# KiCad board rosario.kicad_pcb (continued)
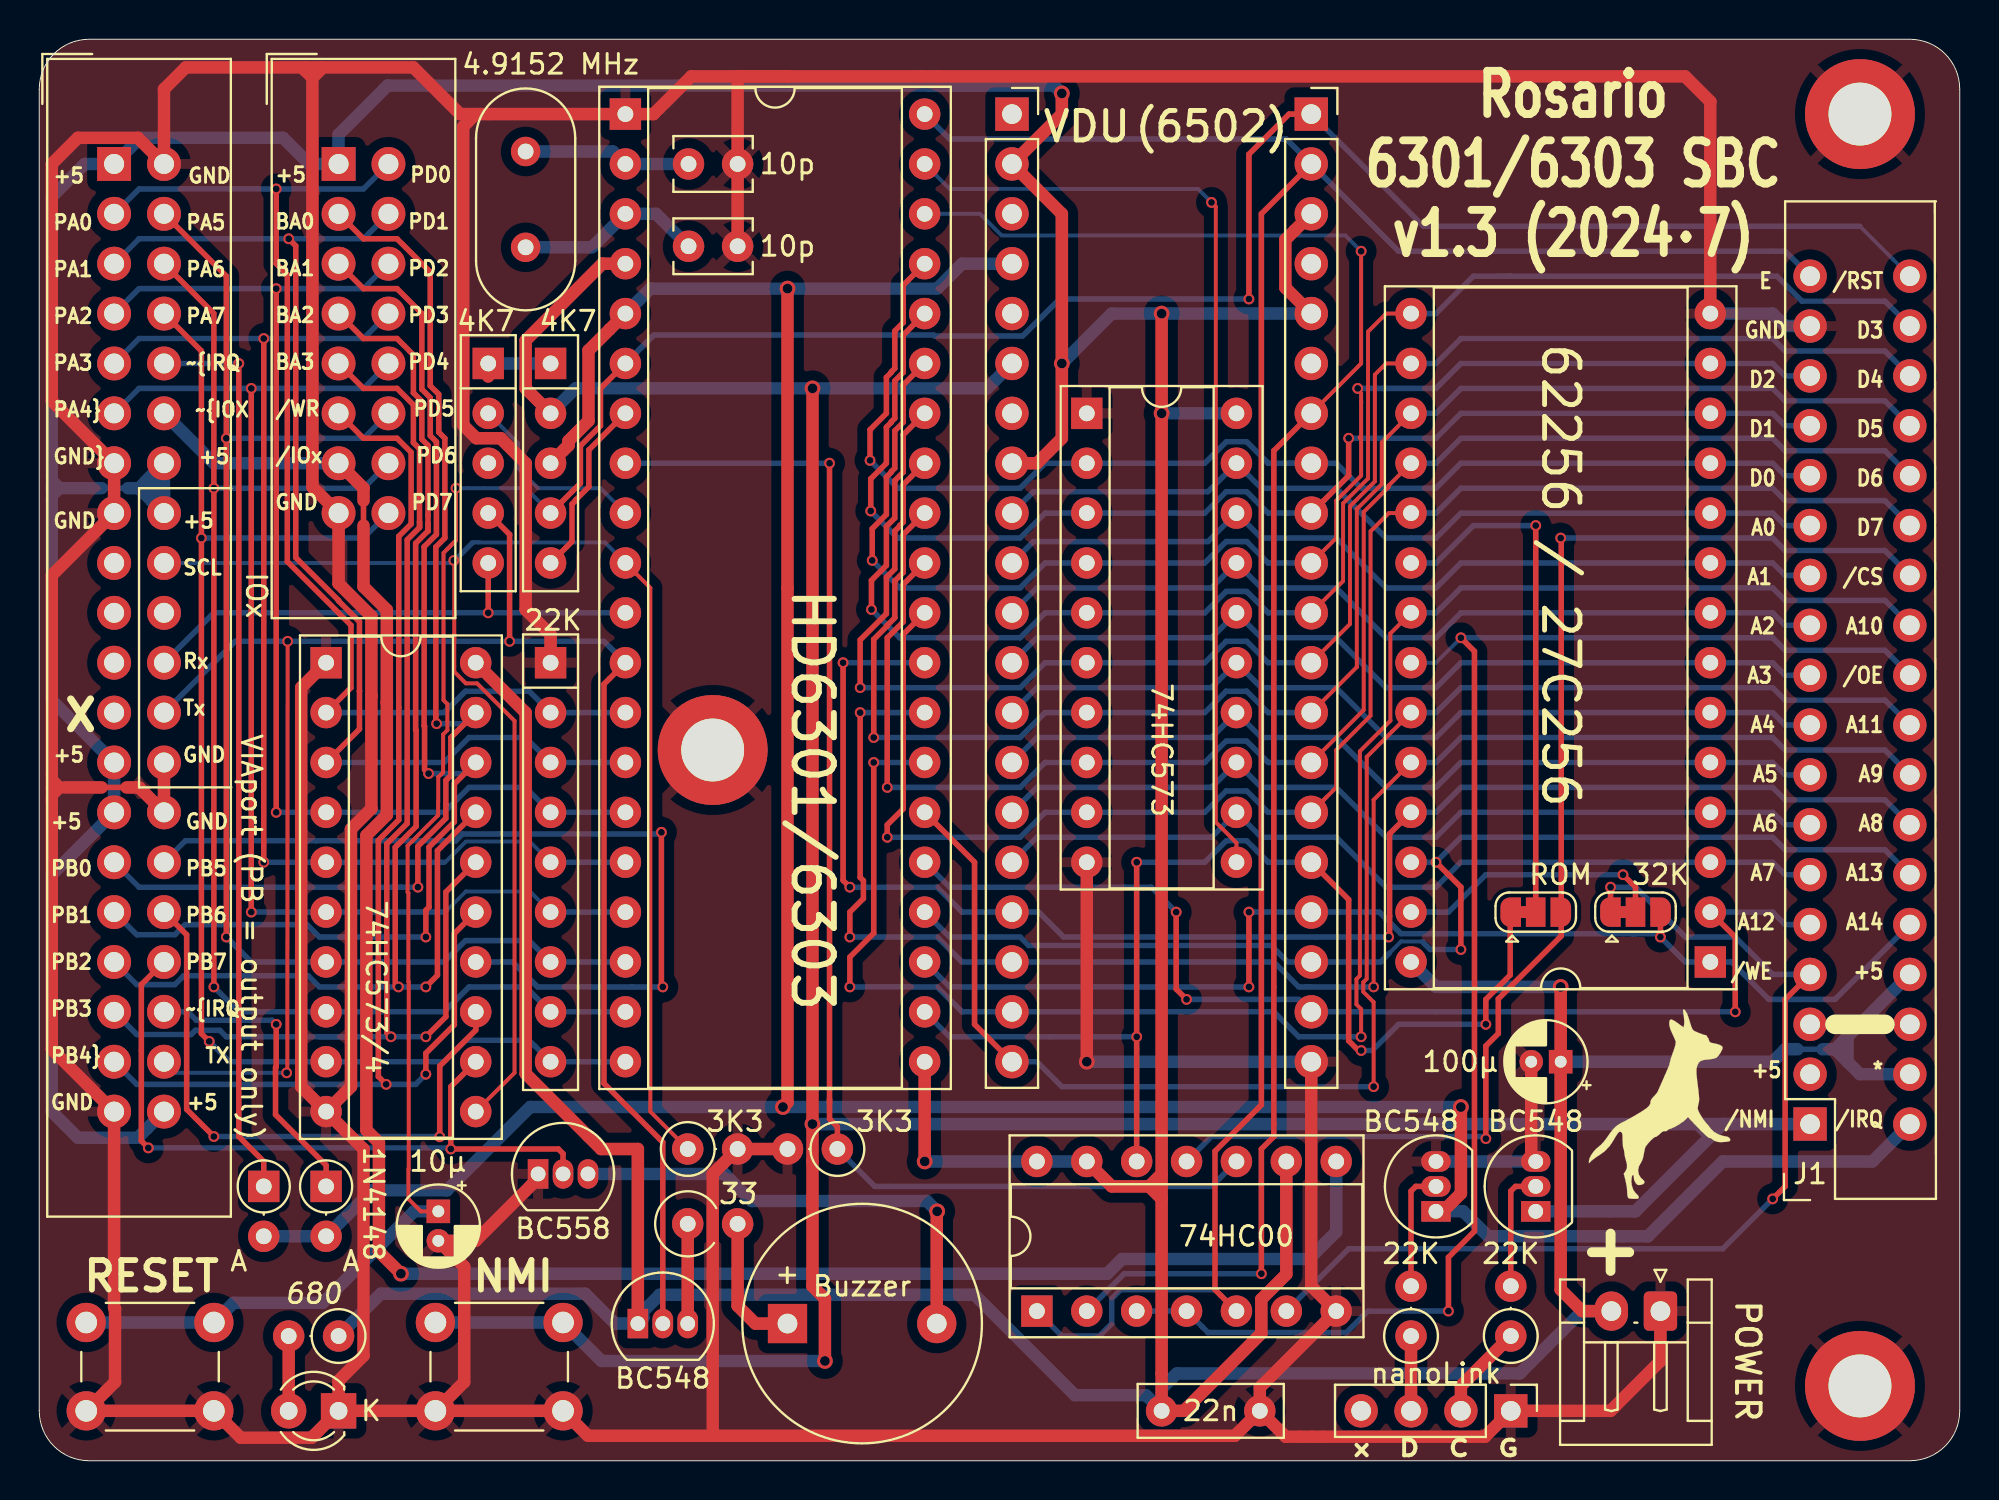
[diagram p0: board, top side]
## Nets
+5V: C3.1 C4.1 J1.4 J1.8 J2.1 J2.14 J2.16 J2.25 J2.27 J2.40 J3.1 J5.2 J5.8 J6.2 J7.3 J7.5 Q3.1 R5.1 RN1.1 RN3.1 U1.20 U2.21 U3.28 U4.9 U4.13 U4.14 U5.20
GND: C1.2 C2.1 C3.2 C4.2 C5.1 D3.1 H1.1 H2.1 H3.1 J1.33 J2.2 J2.13 J2.15 J2.26 J2.28 J2.39 J3.15 J4.1 J6.1 J7.20 Q1.3 Q2.3 Q4.1 R3.2 R6.2 RN2.1 SW1.1 SW2.1 U1.1 U1.10 U2.1 U3.14 U4.7 U5.1 U5.10
/AS: U1.11 U2.39
/B_IRQ: Q2.2 R2.2
/B_NMI: Q1.2 R1.2
/BZ: Q3.3 R4.1
/BZG: BZ1.2 Q4.3
/BZR: BZ1.1 R4.2
/CA1: D1.1 J2.10
/CB1: D2.1 J2.36
/E: J1.35 J7.2 U2.40 U4.1 U4.5
/EXT: C5.2 U2.3 Y1.2
/IOSEL: R6.1 U2.8 U4.10
/P21: RN3.2 U2.9
/PW_LED: D3.2 R5.2
/RAM_~{CS}: JP1.2 U3.20
/RAM_~{WE}: JP2.2 U3.27
/ROM_~{CS}: J1.24 JP1.3 U4.11
/R~{W}: J7.7 U2.38 U4.2
/SC_CL: J2.18 R3.1 U2.10 U5.11
/SC_RX: J2.22 RN3.5 U2.11
/SC_TX: J2.24 J2.38 Q3.2 RN3.4 U2.12
/SERCLK: J4.2 R1.1
/SERDAT: J4.3 R2.1
/XT: C2.2 U2.2 Y1.1
/~{IOX}: J2.12 J3.13 U4.8
/~{IRQ}: D1.2 D2.2 J1.2 J5.4 Q2.1 RN1.3 U2.5
/~{NMI}: J1.1 J5.6 Q1.1 RN1.2 SW2.2 U2.4
/~{OE}: J1.20 U3.22 U4.3 U4.4
/~{RST}: C1.1 J1.36 J7.1 RN1.4 SW1.2 U2.6
/~{STBY}: RN1.5 U2.7
/~{WE}: J1.7 JP2.1 U4.6
A0: J1.25 J5.9 U1.19 U3.10
A1: J1.23 J5.10 U1.18 U3.9
A2: J1.21 J5.11 U1.17 U3.8
A3: J1.19 J5.12 U1.16 U3.7
A4: J1.17 J5.13 U1.15 U3.6
A5: J1.15 J5.14 U1.14 U3.5
A6: J1.13 J5.15 U1.13 U3.4
A7: J1.11 J5.16 U1.12 U3.3
A8: J1.14 J5.17 U2.29 U3.25
A9: J1.16 J5.18 U2.28 U3.24
A10: J1.22 J5.19 U2.27 U3.21
A11: J1.18 J5.20 U2.26 U3.23
A12: J1.9 J7.19 U2.25 U3.2
A13: J1.12 J7.18 U2.24 U3.26
A14: J1.10 J7.17 JP2.3 U2.23 U3.1
A15: J7.16 JP1.1 U2.22 U4.12
D0: J1.27 J7.8 U1.2 U2.37 U3.11
D1: J1.29 J7.9 U1.3 U2.36 U3.12
D2: J1.31 J7.10 U1.4 U2.35 U3.13
D3: J1.34 J7.11 U1.5 U2.34 U3.15
D4: J1.32 J7.12 U1.6 U2.33 U3.16
D5: J1.30 J7.13 U1.7 U2.32 U3.17
D6: J1.28 J7.14 U1.8 U2.31 U3.18
D7: J1.26 J7.15 U1.9 U2.30 U3.19
PA0: J2.3 J3.2 RN2.2 U2.13 U5.2
PA1: J2.5 J3.4 RN2.3 U2.14 U5.3
PA2: J2.7 J3.6 RN2.4 U2.15 U5.4
PA3: J2.9 J3.8 RN2.5 U2.16 U5.5
PA4: J2.11 J3.10 RN2.6 U2.17 U5.6
PA5: J2.4 J3.12 RN2.7 U2.18 U5.7
PA6: J2.6 J3.14 RN2.8 U2.19 U5.8
PA7: J2.8 J3.16 RN2.9 U2.20 U5.9
PB0: J2.29 J3.3 U5.19
PB1: J2.31 J3.5 U5.18
PB2: J2.33 J3.7 U5.17
PB3: J2.35 J3.9 U5.16
PB4: J2.37 J3.11 U5.15
PB5: J2.30 U5.14
PB6: J2.32 U5.13
PB7: J2.34 Q4.2 U5.12

Pads without a net: J1 3 5 6; J2 17 19 20 21 23; J4 4; J5 1 3 5 7; J7 4 6; RN3 3

## Via types
v1: diameter 0.8, hole 0.5, Top to Bottom, 15 vias
v2: diameter 0.55, hole 0.35, Top to Bottom, 83 vias

## Routing (per net, layer and track width the routed paths; a pad name or vN(x,y) marks a point on that pad's centre or on a via; arc(x,y) is an arc through that point)
+5V: length 440
  Top w0.635: J6.2 78.56,7.62 77.47,8.71 C3.1 v1(77.47,24.13) ; J5.8 50.8,50.8 52.07,52.07 v1(52.07,55.88) 52.07,63.5 J5.2 52.07,68.58 v1(52.07,69.63) ; J7.5 63.45,59.74 63.45,62.18 J7.3 ; 57.15,13.97 57.15,13.33 ; 57.15,13.97 57.15,14.6 ; 57.15,13.97 56.52,13.97 ; 57.15,13.33 56.52,13.97 ; 57.15,13.33 C4.1 58.28,2.54 62.23,6.49 62.23,8.22 63.5,9.5 U4.9 ; 56.52,13.97 54.61,13.97 U4.13 ; 56.52,13.97 57.15,14.6 ; v1(57.15,58.42) v1(57.15,53.34) 57.15,14.6 ; Q3.1 30.48,15.88 28.6,15.88 24.77,19.71 24.77,38.1 U5.20 ; v1(45.09,15.24) U2.21 ; RN3.1 22.86,55.22
  Bottom w0.28: 1.27,49.53 0.63,50.16 ; 1.27,49.53 0.63,48.89 ; 1.27,49.53 0.63,49.53 ; 1.27,49.53 5.08,49.53 ; 89.53,20.95 90.81,20.95
  Bottom w0.635: J7.5 v1(57.15,58.42) 54.61,58.42 v1(52.07,55.88) ; J6.2 78.56,7.62 75.39,4.44 57.92,4.44 57.15,3.67 C4.1 56.35,3.34 52.74,3.34 47.62,8.45 31.59,8.45 30.76,7.62 30.76,7.26 Q3.1 29.32,6.98 27.8,8.51 17.4,8.51 R5.1 ; 0.63,49.53 0.63,38.73 J2.25 J2.27 0.63,29.84 0.63,17.78 1.97,16.45 5.02,16.45 J2.40 ; 0.63,49.53 0.63,64.36 2.31,66.04 J2.1 5.14,67.37 12.41,67.37 13.74,66.04 J3.1 15.24,67.54 17.73,70.03 48.08,70.03 ; 0.63,49.53 3.18,49.53 ; U4.13 U4.14 v1(45.09,15.24) ; J2.14 6.35,50.16 ; J2.14 5.08,49.53 ; J2.14 5.49,49.94 5.49,49.76 5.71,49.53 ; 6.35,50.16 5.71,49.53 ; 6.35,50.16 J2.16 ; 5.08,49.53 4.51,49.53 ; 5.08,49.53 5.71,49.53 ; 5.08,49.53 5.71,48.89 ; 5.71,49.53 5.71,48.89 ; 5.71,49.53 6.3,49.53 6.35,49.48 J2.16 ; J1.4 92.71,19.69 92.08,20.32 ; U1.20 v1(57.15,53.34) ; v1(52.07,69.63) 51.67,70.03 48.08,70.03 ; 92.08,21.59 91.44,20.95 ; 92.08,21.59 J1.8 ; 92.08,21.59 92.08,20.32 ; 91.44,20.95 92.08,20.32 ; 91.44,20.95 90.81,20.95 ; 5.71,48.89 J2.16 ; 45.27,70.03 48.08,70.03 ; v1(77.47,24.13) 71.12,24.13 U3.28 ; RN1.1 RN3.1 ; 89.53,20.95 88.9,20.95 88.27,20.32 C3.1
GND: length 498.6
  Top w0.28: 1.27,34.29 0.63,34.92 ; 1.27,34.29 0.63,34.29 ; 1.27,34.29 0.63,33.65 ; 4.45,34.29 3.18,34.29
  Top w0.635: 13.5,70.95 7.45,70.95 6.35,69.85 J2.2 5.02,67.37 1.97,67.37 0.63,66.04 0.63,53.97 J2.13 J2.15 0.63,45.08 0.63,20.95 J2.39 3.81,7.79 3.86,7.74 3.86,4.01 SW1.1 SW1.1 10.26,1.17 13.87,1.17 D3.1 ; 13.5,70.95 14.44,70.95 ; 13.5,70.95 13.5,70.83 13.91,70.42 ; 14.44,70.95 19.05,70.95 21.43,68.58 22.22,68.58 ; 14.44,70.95 13.91,70.42 ; 13.91,70.42 13.91,49.59 J3.15 15.24,44.67 16.91,43 16.91,38.94 16.91,33.21 15.87,32.17 15.87,19.05 U5.10 ; U3.14 85.09,69.22 83.81,70.5 38.11,70.5 ; C3.2 75.97,15.47 Q1.3 ; J6.1 82.55,5.08 80.01,2.54 J4.1 73.61,1.22 63.47,1.22 C4.2 ; C4.2 62.15,3.73 U4.7 64.77,8.89 J7.20 ; C4.2 60.88,1.27 34.29,1.27 ; SW2.1 21.64,4.01 21.64,9.88 C1.2 22.22,11.2 25.4,14.38 Q4.1 ; D3.1 15.24,4.08 16.51,5.34 16.51,15.88 U5.10 ; D3.1 SW2.1 27.94,1.27 34.29,1.27 ; 38.11,70.5 33.2,70.5 31.28,68.58 U2.1 22.22,68.58 ; 38.11,70.5 35.55,70.5 35.56,70.48 C5.1 ; 34.29,1.27 34.29,14.6 R3.2 R6.2 ; U5.10 13.34,19.05 13.34,39.37 U5.1 ; J2.26 J2.28 5.08,34.29 4.45,34.29 ; 22.22,68.58 21.59,67.94 21.59,52.73 22.25,52.07 23.49,52.07 24.77,50.8 24.77,43.34 26.04,42.07 RN2.1 ; v1(53.34,20.32) U1.10 ; 1.27,34.29 3.18,34.29
  Bottom w0.635: Q1.3 Q2.3 ; U3.14 88.27,58.42 88.9,57.78 J1.33 ; J7.20 v1(53.34,20.32)
/AS: length 49.5
  Top w0.2: U1.11 60.96,31.47 59.91,32.52 59.91,63.86 v2(59.69,64.08)
  Bottom w0.2: v2(59.69,64.08) 59,64.77 46.36,64.77 U2.39
/B_IRQ: length 6.2
  Top w0.28: R2.2 69.85,13.73 70.09,13.97 Q2.2
/B_NMI: length 6.2
  Top w0.28: R1.2 74.93,13.73 75.17,13.97 Q1.2
/BZ: length 5.1
  Top w0.635: Q3.3 R4.1
/BZG: length 24.3
  Top w0.635: v1(45.72,12.7) 45.7,12.68 BZ1.2
  Bottom w0.635: Q4.3 34.9,14.6 36.27,13.23 45.19,13.23 v1(45.72,12.7)
/BZR: length 7.1
  Top w0.635: BZ1.1 36.47,6.98 35.56,7.89 R4.2
/CA1: length 46.2
  Top w0.28: D1.1 11.43,15.24 10.16,16.51 v2(10.16,55.88)
  Bottom w0.28: J2.10 v2(10.16,55.88)
/CB1: length 15.3
  Top w0.28: D2.1 14.61,15.05 12.03,17.63 12.03,20.03 12.06,20.06 v2(12.06,22.22)
  Bottom w0.28: J2.36 7.57,22.86 8,22.43 11.86,22.43 v2(12.06,22.22)
/E: length 122.3
  Top w0.28: U4.5 59.87,8.71 59.87,15.76 62.23,18.12 62.23,63.5 J7.2
  Bottom w0.28: U4.5 59.87,8.71 55.06,8.71 54.61,8.25 54.61,6.98 53.98,6.35 52.07,6.35 U4.1 ; J1.35 88.9,61.59 69.22,61.59 J7.2 63.5,67.31 46.36,67.31 U2.40
/EXT: length 9.7
  Bottom w0.635: C5.2 31.41,63.5 U2.3 28.14,61.79 Y1.2
/IOSEL: length 67.3
  Top w0.28: 40.24,18.4 40.24,18.18 ; 40.24,18.4 40.24,17.41 40.64,17.01 R6.1 ; 40.24,18.4 v2(40.24,50.8)
  Bottom w0.28: U4.10 59.69,13.97 42.55,13.97 R6.1 ; U2.8 v2(40.24,50.8)
/P21: length 9.8
  Bottom w0.2: U2.9 28.57,49.53 25.4,49.53 24.38,50.55 24.38,51.82 RN3.2
/PW_LED: length 3.8
  Top w0.635: R5.2 D3.2
/RAM_~{CS}: length 26.8
  Top w0.28: JP1.2 v2(76.2,47.62)
  Bottom w0.28: U3.20 71.12,45.72 73.03,47.62 v2(76.2,47.62)
/RAM_~{WE}: length 13.8
  Top w0.28: v2(80.64,29.84) 81.28,29.21 JP2.2
  Bottom w0.28: U3.27 71.76,27.94 73.66,29.84 v2(80.64,29.84)
/ROM_~{CS}: length 66.6
  Top w0.28: v2(73.66,16.4) 73.66,21.12 74.3,21.76 74.3,23.52 77.5,26.73 JP1.3 77.5,46.96 v2(77.47,46.99)
  Bottom w0.28: U4.11 59.69,16.51 73.55,16.51 v2(73.66,16.4) ; J1.24 93.98,46.35 88.9,46.35 88.27,46.99 v2(77.47,46.99)
/R~{W}: length 86.9
  Top w0.2: J7.7 67.31,55.88 v2(67.31,61.59)
  Top w0.28: J7.7 62.87,51.43 62.87,16.51 62.23,15.88 v2(62.23,9.52)
  Bottom w0.2: v2(67.31,61.59) 66.51,62.4 49,62.4 47.9,63.5 U2.38
  Bottom w0.28: U4.2 55.25,9.52 v2(62.23,9.52)
/SC_CL: length 87.9
  Top w0.2: 21.13,41.86 21.13,42.09 ; 21.13,41.86 21.13,45.82 v2(21.11,45.85) ; 21.13,41.86 21.13,40.18 21.72,39.59 22.29,39.59 24.2,37.68 24.2,19.75 U5.11 ; U2.10 31.11,44.45 31.11,17.78 R3.1
  Bottom w0.2: 22.39,46.77 22.13,46.77 21.08,45.72 J2.18 ; 22.39,46.77 22.03,46.77 v2(21.11,45.85) ; 22.39,46.77 28.79,46.77 U2.10
/SC_RX: length 27.1
  Top w0.28: v2(22.86,43.18) RN3.5
  Bottom w0.28: J2.22 8.89,43.18 v2(22.86,43.18) U2.11
/SC_TX: length 96.2
  Top w0.2: v2(12.65,41.73) 12.63,19.79 v2(12.59,19.75)
  Top w0.28: U2.12 28.75,39.55 28.75,19.21 31.75,16.22 Q3.2 ; v2(23.95,41.73) 23.95,47.17 RN3.4
  Bottom w0.2: J2.38 6.91,19.75 v2(12.59,19.75)
  Bottom w0.28: U2.12 28.75,41.73 v2(23.95,41.73) v2(12.65,41.73) 9.98,41.73 J2.24
/SERCLK: length 4.9
  Top w0.635: J4.2 72.39,3.81 R1.1
/SERDAT: length 3.8
  Top w0.635: R2.1 J4.3
/XT: length 8.6
  Bottom w0.635: C2.2 U2.2 29.21,66.67 Y1.1
/~{IOX}: length 105.5
  Top w0.28: 16.51,48.89 16.51,47.62
  Top w0.635: v1(18.42,9.52) 17.3,10.64 17.3,16.2 16.66,16.84 16.66,31.85 17.7,32.89 17.7,43.33 16.51,44.51 16.51,47.62 ; 16.51,48.89 16.51,49.53 J3.13
  Bottom w0.635: v1(18.42,9.52) 54.39,9.52 55.13,10.27 64.66,10.27 66.04,11.65 U4.8 ; J2.12 8.89,50.8 J3.13
/~{IRQ}: length 169.1
  Top w0.635: v1(72.39,18.01) 72.39,13.61 71.48,12.7 Q2.1 ; U2.5 27.97,56.54 27.97,52.96 26.95,51.94 26.95,51.71 ; v1(38.1,59.69) 38.1,44.45 38.1,44.45 38.1,18.24 v1(37.87,18.01) ; 26.95,51.71 RN1.3 ; 26.95,51.71 26.67,51.43
  Bottom w0.635: Q2.1 72.51,12.7 73.78,11.43 81.92,11.43 85.73,15.24 93.34,15.24 J1.2 ; J5.4 46.99,60.96 45.72,59.69 v1(38.1,59.69) 31.12,59.69 U2.5 ; v1(37.87,18.01) 25,18.01 20.75,13.77 16.94,13.77 D2.2 D1.2 ; v1(37.87,18.01) 38.09,18.01 38.1,18.03 ; v1(37.87,18.01) v1(72.39,18.01)
/~{NMI}: length 170.5
  Top w0.635: U2.4 28.67,60.96 24.77,57.05 24.77,54.61 RN1.2 ; v1(40,5.08) 40,8.25 39.37,8.89 v1(39.37,17.14) 39.37,17.15 v1(39.37,54.61)
  Bottom w0.635: SW2.2 SW2.2 28.63,5.08 v1(40,5.08) ; 70.48,17.14 84.45,17.14 ; 70.48,17.14 71.4,17.14 ; 70.48,17.14 v1(39.37,17.14) ; Q1.1 81.28,12.7 85.09,16.51 ; 84.45,17.14 86.36,17.14 ; 84.45,17.14 85.09,16.51 ; 85.09,16.51 85.73,17.14 86.36,17.14 ; 86.36,17.14 J1.1 ; J5.6 48.26,54.61 v1(39.37,54.61) 27.31,54.61 RN1.2
/~{OE}: length 78.6
  Top w0.28: v2(71.76,7.62) 71.76,10.36 73.08,11.69 73.08,41.22 v2(72.39,41.91)
  Bottom w0.2: U3.22 71.12,40.64 v2(72.39,41.91)
  Bottom w0.28: v2(71.76,7.62) 67.65,7.62 66.56,6.53 59.51,6.53 U4.4 U4.3 ; J1.20 93.98,41.27 88.9,41.27 88.27,41.91 v2(72.39,41.91)
/~{RST}: length 153.8
  Top w0.2: C1.1 19.43,12.7 18.8,13.33 18.8,14.86 18.81,14.88 18.81,24.38 18.8,24.4 18.8,28.92 18.75,28.96 18.75,31.32 20.31,32.87 20.31,33.56 20.31,33.57 20.31,34.81 20.56,35.06 20.56,36.99 20.78,37.21 20.78,38.54 20.58,38.73 20.58,46.23 20.77,46.42 ; 20.77,46.42 21.22,46.87 v2(21.22,49.53) ; 20.77,46.42 21.19,46.84
  Top w0.28: RN1.4 27.56,49.78 27.56,51.69 28.57,52.7 28.57,54.61 U2.6 ; v2(61.59,59.16) 61.59,66.53 63.64,68.58 J7.1
  Bottom w0.2: v2(21.22,49.53) 24.76,49.53 RN1.4 ; 92.71,62.86 J1.36
  Bottom w0.28: J7.1 70.48,62.86 92.71,62.86 ; U2.6 30.48,56.51 ; 30.48,56.51 31.29,57.33 45.54,57.33 45.59,57.28 50.08,57.28 51.96,59.16 v2(61.59,59.16) ; 30.48,56.51 30.99,57.02
  Bottom w0.635: C1.1 19.08,12.7 14.42,8.04 9.89,8.04 SW1.2 SW1.2
/~{STBY}: length 9.2
  Top w0.28: RN1.5 27.13,46.81 27.13,48.72 27.3,48.89 27.3,48.92 27.99,49.6 27.99,51.48 U2.7
/~{WE}: length 52.6
  Top w0.28: v2(80.01,29.21) 80.01,27.97 JP2.1 ; v2(88.27,13.33) 88.9,13.97 88.9,23.49 J1.7
  Bottom w0.28: v2(88.27,13.33) 85.73,10.8 66.67,10.8 U4.6 ; v2(80.01,29.21) 81.28,29.21 83.82,26.67 86.36,26.67 88.27,24.77 J1.7
A0: length 44.1
  Bottom w0.28: 90.17,47.62 88.9,47.62 88.27,48.26 U3.10 72.39,48.26 71.12,46.99 68.58,46.99 66.04,49.53 62.23,49.53 U1.19 59.51,49.35 50.62,49.35 J5.9
A1: length 44.1
  Bottom w0.28: J1.23 88.9,45.08 88.27,45.72 U3.9 72.39,45.72 71.12,44.45 68.58,44.45 66.04,46.99 62.23,46.99 U1.18 59.51,46.81 50.62,46.81 J5.10
A2: length 44.1
  Bottom w0.28: 90.17,42.54 88.9,42.54 88.27,43.18 U3.8 72.39,43.18 71.12,41.91 68.58,41.91 66.04,44.45 62.23,44.45 U1.17 59.69,44.45 50.8,44.45 J5.11
A3: length 44.1
  Bottom w0.28: J1.19 88.9,40 88.27,40.64 U3.7 72.39,40.64 71.12,39.37 68.58,39.37 66.04,41.91 62.23,41.91 U1.16 59.69,41.91 50.8,41.91 J5.12
A4: length 44.1
  Bottom w0.28: J5.13 50.8,39.37 59.69,39.37 U1.15 62.23,39.37 66.04,39.37 68.58,36.83 71.12,36.83 72.39,38.1 U3.6 88.27,38.1 88.9,37.46 90.17,37.46
A5: length 44.1
  Bottom w0.28: J1.15 88.9,34.92 88.27,35.56 U3.5 72.39,35.56 71.12,34.29 68.58,34.29 66.04,36.83 62.23,36.83 U1.14 59.69,36.83 50.8,36.83 J5.14
A6: length 44.1
  Bottom w0.28: J5.15 50.8,34.29 59.69,34.29 U1.13 62.23,34.29 66.04,34.29 68.58,31.75 71.12,31.75 72.39,33.02 U3.4 88.27,33.02 88.9,32.38 90.17,32.38
A7: length 44.1
  Bottom w0.28: J5.16 50.8,31.75 59.69,31.75 U1.12 62.23,31.75 66.04,31.75 68.58,29.21 71.12,29.21 72.39,30.48 U3.3 88.27,30.48 88.9,29.84 J1.11
A8: length 77.8
  Top w0.28: U3.25 68.76,31.93 68.76,26.72 v2(68.71,26.67) ; v2(40.93,40.64) 40.93,29.56 v2(41.28,29.21)
  Bottom w0.28: v2(41.28,29.21) 45.72,29.21 46.99,27.94 J5.17 50.89,27.94 52.16,26.67 v2(68.71,26.67) ; U3.25 71.12,33.02 72.39,34.29 88.27,34.29 88.9,33.65 93.98,33.65 95.25,32.38 ; U2.29 v2(40.93,40.64)
A9: length 82.6
  Top w0.2: v2(67.95,24.13) 67.95,33.65 U3.24
  Top w0.28: v2(41.8,38.1) 41.8,29.71 41.97,29.54 41.97,28.63 41.28,27.94 v2(41.28,26.67)
  Bottom w0.2: 50.17,25.4 50.8,25.4
  Bottom w0.28: 64.77,24.13 64.14,24.13 62.87,25.4 J5.18 46.99,25.4 45.72,26.67 v2(41.28,26.67) ; v2(67.95,24.13) 64.49,24.13 ; J1.16 93.98,36.19 88.9,36.19 88.27,36.83 72.39,36.83 71.12,35.56 U3.24 ; U2.28 v2(41.8,38.1)
A10: length 91.2
  Top w0.2: v2(67.31,21.59) 67.31,23 67.07,23.24 67.07,24.52 67.24,24.7 67.24,36.13 68.8,37.68 68.8,42.13 U3.21
  Top w0.28: v2(42.49,35.56) 42.49,26.86 41.28,25.65 v2(41.28,24.13)
  Bottom w0.28: U2.27 v2(42.49,35.56) ; 95.25,42.54 93.98,43.81 88.9,43.81 88.27,44.45 72.39,44.45 71.12,43.18 U3.21 ; v2(67.31,21.59) 64.14,21.59 62.87,22.86 J5.19 46.99,22.86 45.72,24.13 v2(41.28,24.13)
A11: length 80.5
  Top w0.2: v2(67.95,19.05) 67.95,23.35 67.42,23.88 67.42,24.37 67.59,24.54 67.59,35.84 U3.23
  Top w0.28: U2.26 47.62,30.48 47.62,22.22 J5.20
  Bottom w0.28: v2(67.95,19.05) 52.07,19.05 50.8,20.32 J5.20 ; 95.25,37.46 93.98,38.73 88.9,38.73 88.27,39.37 72.39,39.37 71.12,38.1 U3.23
A12: length 57.7
  Top w0.28: v2(86.36,22.86) 86.36,26.67 U3.2 ; v2(57.89,27.94) 57.89,24.02 v2(58.42,23.49)
  Bottom w0.28: v2(86.36,22.86) J7.19 64.14,23.49 v2(58.42,23.49) ; U3.2 88.27,27.94 88.9,27.3 J1.9 ; U2.25 46.36,29.21 56.62,29.21 v2(57.89,27.94)
A13: length 62.3
  Top w0.28: v2(71.12,30.48) 72.39,29.21 v2(72.39,26.03)
  Bottom w0.2: 70.77,26.03 v2(72.39,26.03) ; 68.76,25.86 69.35,26.45 70.48,26.45
  Bottom w0.28: U3.26 v2(71.12,30.48) 72.39,31.75 88.27,31.75 88.9,31.11 93.98,31.11 J1.12 ; 68.76,25.86 68.3,25.4 J7.18 63.57,25.4 62.73,26.24 50.38,26.24 49.95,26.67 46.36,26.67 U2.24 ; 70.45,26.41 70.83,26.03 v2(72.39,26.03)
A14: length 59.4
  Top w0.28: v2(82.55,26.67) 82.55,27.91 JP2.3 ; v2(61.59,24.13) v2(61.59,27.94)
  Bottom w0.28: J1.10 91.44,23.49 88.08,23.49 86.17,25.4 U3.1 83.82,25.4 v2(82.55,26.67) 82.38,26.84 81.11,26.84 ; v2(61.59,27.94) J7.17 68.24,27.94 69.34,26.84 81.11,26.84 ; 81.11,26.84 81.28,26.84 ; v2(61.59,24.13) 46.36,24.13 U2.23
A15: length 60.2
  Top w0.28: JP1.1 74.9,24.73 73.66,23.49 v2(73.66,22.22) ; v2(55.88,30.48) v2(55.88,21.59) U4.12 ; J7.16 66.67,28.58 66.67,21.39 67.17,20.89 v2(67.31,20.89)
  Bottom w0.28: U2.22 46.36,21.59 v2(55.88,21.59) ; J7.16 62.57,30.48 61.48,31.57 60.44,31.57 59.35,30.48 v2(55.88,30.48) ; v2(67.31,20.89) 67.88,20.89 69.22,22.22 v2(73.66,22.22)
D0: length 63.6
  Top w0.28: v2(42.3,50.94) 42.3,52.51 43.13,53.34 43.13,55.17 43.39,55.42 43.39,55.45 43.56,55.63 43.56,57.53 43.99,57.96 43.99,59.87 U2.37
  Bottom w0.28: J7.8 62.57,50.8 61.48,51.89 60.44,51.89 59.35,50.8 U1.2 51.22,50.8 49.95,49.53 43.71,49.53 v2(42.3,50.94) ; J7.8 66.04,50.8 67.31,49.53 71.12,49.53 72.39,50.8 U3.11 88.27,50.8 88.9,50.16 J1.27 ; J7.8 63.57,50.8
D1: length 64.5
  Top w0.28: J7.9 66.67,50.16 v2(66.67,52.07) ; U2.36 43.99,57.33 43.99,55.42 43.56,54.99 43.56,53.09 43.39,52.91 43.39,52.88 43.13,52.63 43.13,50.8 42.34,50 v2(42.34,48.37)
  Bottom w0.28: v2(66.67,52.07) 71.12,52.07 72.39,53.34 U3.12 88.27,53.34 88.9,52.7 J1.29 ; v2(42.34,48.37) 43.71,46.99 49.95,46.99 51.22,48.26 U1.3 59.35,48.26 60.44,49.35 61.48,49.35 62.57,48.26 J7.9
D2: length 69.5
  Top w0.2: v2(67.14,54.61) 67.14,54.53 67.31,54.36 67.31,53.85 ; 67.31,53.85 67.31,53.98 ; 67.31,53.85 67.31,50.16 66.04,48.89 66.04,46.99 J7.10
  Top w0.28: U2.35 43.99,54.79 43.99,52.88 43.56,52.45 43.56,50.55 43.39,50.37 43.39,50.34 43.13,50.09 43.13,48.19 42.41,47.47 v2(42.41,45.85)
  Bottom w0.28: v2(67.14,54.61) 71.12,54.61 72.39,55.88 U3.13 88.27,55.88 88.9,55.24 J1.31 ; J7.10 62.57,45.72 61.48,46.81 60.44,46.81 59.35,45.72 U1.4 51.22,45.72 49.95,44.45 43.81,44.45 v2(42.41,45.85)
D3: length 81.5
  Top w0.2: U3.15 68.58,58.42 67.66,57.5 67.66,50.02 66.39,48.75 66.39,44.8 J7.11
  Top w0.28: U2.34 43.99,52.25 43.99,50.34 43.56,49.91 43.56,48.01 43.13,47.58 43.13,45.59 42.37,44.83 v2(42.37,43.35)
  Bottom w0.28: U3.15 71.12,58.42 73.03,60.32 74.93,60.32 ; 74.93,60.32 74.3,60.32 ; 74.93,60.32 88.48,60.32 89.75,59.05 93.98,59.05 J1.34 ; J7.11 62.57,43.18 61.48,44.27 60.44,44.27 59.35,43.18 U1.5 51.22,43.18 49.95,41.91 43.81,41.91 v2(42.37,43.35)
D4: length 82
  Top w0.2: J7.12 66.74,42.61 66.74,48.61 68.01,49.88 68.01,55.31 68.58,55.88 U3.16
  Top w0.28: v2(41.8,39.37) 41.8,41.8 43.13,43.13 43.13,44.99 43.56,45.42 43.56,47.35 43.81,47.6 43.81,47.62 43.99,47.8 43.99,49.71 U2.33
  Bottom w0.28: J1.32 93.98,56.51 88.9,56.51 88.27,57.15 72.39,57.15 71.12,55.88 U3.16 ; J7.12 62.57,40.64 61.48,41.73 60.44,41.73 59.35,40.64 U1.6 51.22,40.64 49.95,39.37 v2(41.8,39.37)
D5: length 80.3
  Top w0.2: J7.13 67.09,40.42 67.09,48.46 68.36,49.73 68.36,51.85 U3.17
  Top w0.28: v2(42.49,36.83) 42.49,41.83 43.18,42.52 43.18,42.54 43.56,42.93 43.56,44.81 43.99,45.24 43.99,47.17 U2.32
  Bottom w0.28: J7.13 62.57,38.1 61.48,39.19 60.44,39.19 59.35,38.1 U1.7 51.22,38.1 49.95,36.83 v2(42.49,36.83) ; U3.17 71.12,53.34 72.39,54.61 88.27,54.61 88.9,53.97 93.98,53.97 J1.30
D6: length 79.3
  Top w0.2: J7.14 67.44,38.23 67.44,48.32 68.71,49.59 68.71,49.66 U3.18
  Top w0.28: U2.31 43.99,44.63 43.99,42.72 43.18,41.91 v2(43.18,34.29)
  Bottom w0.28: U3.18 71.12,50.8 72.39,52.07 88.27,52.07 88.9,51.43 93.98,51.43 J1.28 ; J7.14 62.57,35.56 61.48,36.65 60.44,36.65 59.35,35.56 U1.8 51.22,35.56 49.95,34.29 v2(43.18,34.29)
D7: length 80.2
  Top w0.2: 65.57,33.82 65.41,33.65 ; 65.41,33.65 J7.15 ; 65.41,33.65 66.04,34.29 66.04,36.19 67.79,37.95 67.79,47.33 68.72,48.26 U3.19
  Top w0.28: v2(43.18,31.75) 43.18,32.38 43.99,33.2 43.99,42.09 U2.30
  Bottom w0.28: J7.15 62.57,33.02 61.48,34.11 60.44,34.11 59.35,33.02 U1.9 51.22,33.02 49.95,31.75 v2(43.18,31.75) ; U3.19 71.12,48.26 72.39,49.53 88.27,49.53 88.9,48.89 93.98,48.89 95.25,47.62
PA0: length 59.9
  Top w0.28: U5.2 15.87,39.37 15.87,42.54 12.63,45.79 12.63,60.39 12.06,60.96 v2(12.06,64.77)
  Bottom w0.28: J2.3 5.08,64.77 v2(12.06,64.77) 16.51,64.77 J3.2 ; U2.13 RN2.2 24.94,39.19 21.7,39.19 20.61,38.1 U5.2
PA1: length 60.2
  Top w0.28: v2(12.7,62.23) 13.06,61.87 13.06,45.99 15.24,43.81 15.24,43.79 16.31,42.72 16.31,37.26 U5.3
  Bottom w0.28: J2.5 5.08,62.23 v2(12.7,62.23) 16.51,62.23 J3.4 ; U5.3 20.61,35.56 21.88,36.83 24.76,36.83 RN2.3 U2.14
PA2: length 60.5
  Top w0.28: v2(12.06,33.02) v2(12.06,59.69)
  Bottom w0.28: J2.7 5.08,59.69 v2(12.06,59.69) 16.51,59.69 J3.6 ; v2(12.06,33.02) U5.4 20.61,33.02 21.88,34.29 24.76,34.29 RN2.4 U2.15
PA3: length 61
  Top w0.28: v2(11.43,30.48) v2(11.43,57.15)
  Bottom w0.2: RN2.5 24.98,31.53 21.72,31.53 20.67,30.48 20.61,30.48
  Bottom w0.28: J2.9 5.08,57.15 v2(11.43,57.15) 16.51,57.15 J3.8 ; RN2.5 U2.16 ; 20.61,30.48 U5.5 v2(11.43,30.48)
PA4: length 61.6
  Top w0.28: v2(10.79,27.94) v2(10.79,54.61)
  Bottom w0.2: RN2.6 24.98,28.99 21.72,28.99 20.67,27.94 20.61,27.94
  Bottom w0.28: J2.11 5.08,54.61 v2(10.79,54.61) 16.51,54.61 J3.10 ; v2(10.79,27.94) U5.6 20.61,27.94 ; RN2.6 U2.17
PA5: length 68.7
  Top w0.28: J2.4 9.52,60.32 v2(9.52,52.07) v2(9.52,26.67)
  Bottom w0.28: v2(9.52,52.07) 16.51,52.07 J3.12 ; U2.18 RN2.7 24.94,26.49 21.7,26.49 20.61,25.4 U5.7 10.79,25.4 v2(9.52,26.67)
PA6: length 69.8
  Top w0.28: J2.6 8.89,58.42 v2(8.89,49.53) v2(8.89,24.13)
  Bottom w0.28: v2(8.89,49.53) 16.51,49.53 J3.14 ; U2.19 RN2.8 24.76,24.13 21.88,24.13 20.61,22.86 U5.8 10.16,22.86 v2(8.89,24.13)
PA7: length 70.6
  Top w0.28: J2.8 8.25,56.51 v2(8.25,46.99) 8.25,21.75 v2(8.65,21.35)
  Bottom w0.28: v2(8.25,46.99) 16.51,46.99 J3.16 ; v2(8.65,21.35) 9.69,20.32 U5.9 20.61,20.32 21.7,21.41 24.94,21.41 RN2.9 U2.20
PB0: length 57.8
  Top w0.28: v2(20.23,37.53) 20.19,37.58 20.19,37.97 ; 20.18,37.96 20.19,37.97 ; 20.19,37.97 20.19,46.53 20.65,46.99 20.65,52.07 20.34,52.38 20.34,54.31 19.91,54.74 19.91,60.54 18.22,62.23 16.51,62.23 J3.3 ; v2(19.28,29.21) 19.28,31.29 20.7,32.71 20.7,33.4 20.7,33.4 20.7,34.65 20.96,34.9 20.96,36.83 U5.19
  Bottom w0.28: v2(20.23,37.53) 21.66,37.53 U5.19 ; J2.29 5.08,29.21 v2(19.28,29.21)
PB1: length 59.5
  Top w0.28: v2(19.68,26.67) 19.68,28.03 19.84,28.19 19.84,31.25 21.13,32.54 21.13,34.47 U5.18 ; J3.5 16.51,59.69 18.22,59.69 19.48,58.43 19.48,54.56 19.91,54.13 19.91,52.2 20.22,51.89 20.22,47.17 19.6,46.54 19.6,37.43 19.62,37.4 19.62,35.2 v2(19.82,34.99)
  Bottom w0.28: v2(19.68,26.67) 14.26,26.67 13.63,27.3 7.42,27.3 6.9,26.79 4.96,26.79 J2.31 ; v2(19.82,34.99) 21.66,34.99 U5.18 21.7,35.03
PB2: length 65.1
  Top w0.28: 19.79,47.73 19.79,51.71 19.48,52.02 19.48,53.96 19.05,54.39 19.05,56.32 18.22,57.15 16.51,57.15 J3.7 ; 19.79,47.73 19.79,47.35 ; 19.79,47.73 19.79,47.35 ; 19.79,47.35 19.17,46.72 19.17,37.22 19.19,37.2 19.19,32.3 18.13,31.24 18.13,24.17 18.16,24.13 v2(18.29,24.13) ; v2(19.68,24.13) 20.27,24.72 20.27,31.07 U5.17
  Bottom w0.28: v2(19.68,24.13) v2(18.29,24.13) 14.26,24.13 13.7,24.7 7.35,24.7 6.9,24.25 4.96,24.25 J2.33
PB3: length 66.2
  Top w0.28: 19.36,47.81 19.36,51.53 19.05,51.85 19.05,53.78 18.22,54.61 16.51,54.61 J3.9 ; 19.36,47.81 19.36,47.53 ; 19.36,47.81 19.36,47.53 ; v2(17.91,21.59) 17.7,21.8 17.7,31.42 18.74,32.46 18.74,46.9 19.36,47.53 ; v2(19.68,21.59) 20.7,22.61 20.7,28.96 U5.16
  Bottom w0.28: 14.26,21.59 15.87,21.59 ; 14.26,21.59 v2(17.91,21.59) v2(19.68,21.59) ; 14.26,21.59 9.52,21.59 9.2,21.92 7.95,21.92 7.74,21.71 4.96,21.71 J2.35
PB4: length 63.4
  Top w0.28: v2(19.68,19.69) 19.68,20.75 21.13,22.2 21.13,26.85 U5.15 ; v2(17.66,19.17) 17.27,19.56 17.27,31.6 18.31,32.64 18.31,38.36 18.31,47.08 18.93,47.71 18.93,51.35 18.22,52.07 16.51,52.07 J3.11
  Bottom w0.28: J2.37 4.96,19.17 v2(17.66,19.17) 19.17,19.17 v2(19.68,19.69)
PB5: length 43.9
  Top w0.28: v2(31.68,32) 31.68,24.2 v2(31.75,24.13)
  Bottom w0.28: v2(31.75,24.13) 25.37,24.13 24.1,25.4 U5.14 ; J2.30 7.44,31.57 21.21,31.57 21.56,31.92 31.6,31.92 v2(31.68,32)
PB6: length 31.1
  Top w0.28: U5.13 22.22,21.93 20.39,20.1 v2(20.39,16.5) ; v2(8.89,16.51) 7.5,17.9 7.5,26.79 J2.32
  Bottom w0.28: v2(20.39,16.5) 20.38,16.51 v2(8.89,16.51)
PB7: length 37.3
  Top w0.28: v2(5.55,15.93) 5.2,16.29 5.2,24.25 J2.34 ; U5.12 20.96,19.05 v2(20.96,15.88) 26.43,15.88 26.67,15.63 Q4.2
  Bottom w0.28: v2(20.96,15.88) 20.9,15.93 v2(5.55,15.93)

## Copper pours and planes (outline as drawn; the poured copper is in the pictures)
+5V on Bottom: 0,72.39 0,0 97.79,0 97.79,72.39
GND on Top: 0,72.39 0,0 97.79,0 97.79,72.39

## Text on the board
B.Silkscreen: GND          +5 / PA5         PA0 / PA6         PA1 / PA7         PA2 / /IRQ         PA3 / /IOX         PA4 / +5         GND | GND          +5 / PB5         PB0 / PB6         PB1 / PB7         PB2 / /IRQ         PB3 / Tx          PB4 / +5         GND | +5 / SCL / Rx / Tx / GND | PD0          +5 / PD1         BA0 / PD2         BA1 / PD3         BA2 / PD4         BA3 / PD5          R~{W / PD6}          ~{IOX / PD7}         GND | JLCJLCJLCJLC | @zuiko21
F.Silkscreen: E      /RST / GND       D3 / D2        D4 / D1        D5 / D0        D6 / A0        D7 / A1       /CS / A2       A10 / A3       /OE / A4       A11 / A5        A9 / A6        A8 / A7       A13 / A12       A14 / /WE        +5 / +5         * / /NMI      /IRQ | +5          GND / PB0         PB5 / PB1         PB6 / PB2         PB7 / PB3         ~{IRQ / PB4}          TX / GND         +5 | +5          GND / PA0         PA5 / PA1         PA6 / PA2         PA7 / PA3         ~{IRQ / PA4}         ~{IOX / GND}         +5 | GND / +5 | +5 / SCL / Rx / Tx / GND | +5          PD0 / BA0         PD1 / BA1         PD2 / BA2         PD3 / BA3         PD4 / /WR         PD5 / /IOx         PD6 / GND         PD7 | x  D  C  G | K | X | Rosario / 6301/6303 SBC / v1.3 (2024·7) | +
